# Altium PCB Main.PcbDoc (part 1 of 2) (continued)
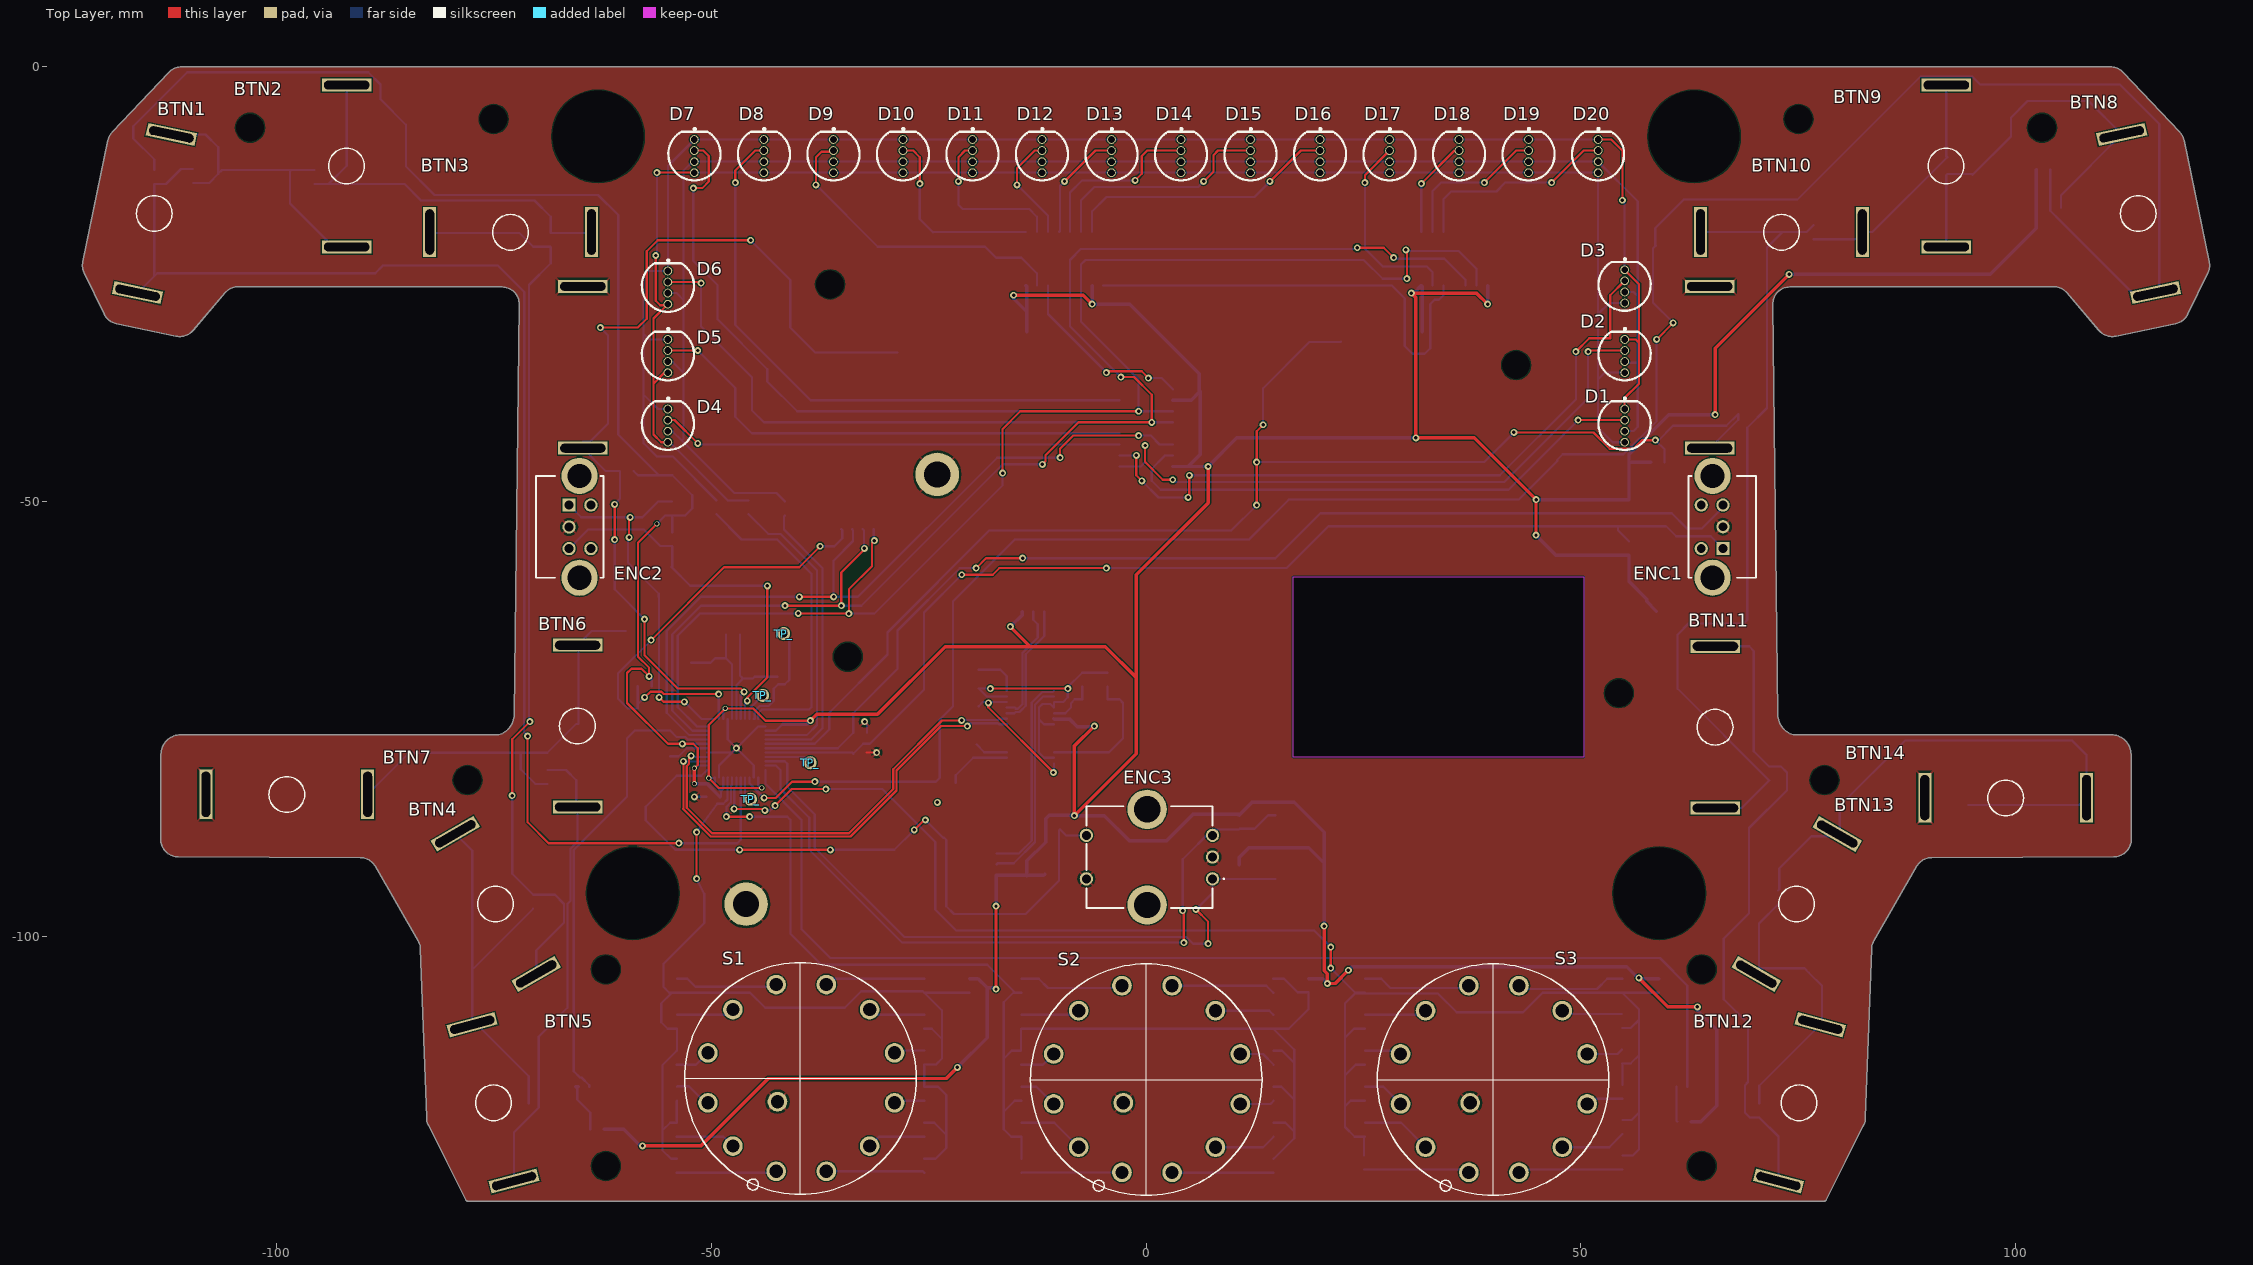
[diagram p0: Top Layer view]
## Components (designator, comment, footprint, x,y, rotation, side; value= is the part's Value field where it differs from the comment) (continued)
R21 "RESISTOR GENERIC" 0603 -54.458,-54.331 r90 bottom
R22 "RESISTOR GENERIC" 0603 -14.326,-122.2 r90 bottom
R23 "RESISTOR GENERIC" 0603 14.668,-113.919 r90 bottom
R24 "RESISTOR GENERIC" 0603 -14.326,-118.06 r90 bottom
R25 "RESISTOR GENERIC" 0603 14.668,-118.06 r90 bottom
R26 "RESISTOR GENERIC" 0603 -14.364,-113.919 r270 bottom
R27 "RESISTOR GENERIC" 0603 14.668,-122.2 r90 bottom
R28 "RESISTOR GENERIC" 0603 -14.326,-109.779 r90 bottom
R29 "RESISTOR GENERIC" 0603 14.668,-126.34 r90 bottom
R30 "RESISTOR GENERIC" 0603 -14.326,-105.639 r90 bottom
R31 "RESISTOR GENERIC" 0603 14.63,-105.639 r270 bottom
R32 "RESISTOR GENERIC" 0603 58.953,-105.639 r90 bottom
R33 "RESISTOR GENERIC" 0603 25.044,-125.959 r270 bottom
R34 "RESISTOR GENERIC" 0603 54.724,-109.703 r270 bottom
R35 "RESISTOR GENERIC" 0603 25.171,-122.2 r90 bottom
R36 "RESISTOR GENERIC" 0603 54.724,-113.767 r270 bottom
R37 "RESISTOR GENERIC" 0603 25.171,-118.06 r90 bottom
R38 "RESISTOR GENERIC" 0603 54.762,-117.831 r90 bottom
R39 "RESISTOR GENERIC" 0603 -47.473,-65.253 r0 bottom
R40 "RESISTOR GENERIC" 0603 25.171,-113.919 r90 bottom
R41 "RESISTOR GENERIC" 0603 54.762,-121.895 r90 bottom
R42 "RESISTOR GENERIC" 0603 25.171,-109.779 r90 bottom
R43 "RESISTOR GENERIC" 0603 54.762,-125.959 r90 bottom
R44 "RESISTOR GENERIC" 0603 25.171,-105.639 r90 bottom
R45 "RESISTOR GENERIC" 0603 54.762,-105.639 r90 bottom
R46 "RESISTOR GENERIC" 0603 -45.695,-50.648 r270 bottom
R47 "RESISTOR GENERIC" 0603 -49.378,-50.648 r270 bottom
R48 "RESISTOR GENERIC" 0603 -41.504,-50.775 r270 bottom
R49 "RESISTOR GENERIC" 0603 -114.021,-12.675 r90 bottom
R50 "RESISTOR GENERIC" 0603 -109.576,-12.548 r90 bottom
R51 "RESISTOR GENERIC" 0603 -95.606,-12.675 r90 bottom
R52 "RESISTOR GENERIC" 0603 -68.428,-19.914 r90 bottom
R53 "RESISTOR GENERIC" 0603 -70.46,-95.987 r90 bottom
R54 "RESISTOR GENERIC" 0603 -70.968,-119.99 r90 bottom
R55 "RESISTOR GENERIC" 0603 -68.809,-81.636 r90 bottom
R56 "RESISTOR GENERIC" 0603 -59.817,-65.659 r90 bottom
R57 "RESISTOR GENERIC" 0603 103.124,-11.811 r0 bottom
R58 "RESISTOR GENERIC" 0603 105.181,-16.993 r90 bottom
R59 "RESISTOR GENERIC" 0603 92.1,-11.532 r90 bottom
R60 "RESISTOR GENERIC" 0603 76.733,-19.025 r90 bottom
R61 "RESISTOR GENERIC" 0603 71.653,-81.255 r90 bottom
R62 "RESISTOR GENERIC" 0603 70.51,-119.99 r90 bottom
R63 "RESISTOR GENERIC" 0603 72.669,-95.479 r90 bottom
R64 "RESISTOR GENERIC" 0603 94.513,-84.049 r90 bottom
R65 "RESISTOR GENERIC" 0603 -59.69,-46.482 r0 bottom
R66 "RESISTOR GENERIC" 0603 58.801,-45.466 r180 bottom
R67 "RESISTOR GENERIC" 0603 -4.42,-70.46 r90 bottom
R68 "RESISTOR GENERIC" 0603 -63.094,-122.149 r0 bottom
R69 "RESISTOR GENERIC" 0603 61.874,-121.26 r0 bottom
R70 "RESISTOR GENERIC" 0603 -7.341,-70.46 r90 bottom
R71 "RESISTOR GENERIC" 0603 -20.041,-69.317 r0 bottom
R72 "RESISTOR GENERIC" 0603 -4.42,-73.508 r90 bottom
R73 "RESISTOR GENERIC" 0603 -7.341,-73.508 r90 bottom
R74 "RESISTOR GENERIC" 0603 10.693,-92.558 r90 bottom
R75 "RESISTOR GENERIC" 0603 10.693,-86.843 r90 bottom
R76 "RESISTOR GENERIC" 0603 -9.881,-86.843 r90 bottom
S1 "<b>Rotary wafer switch,metric,BBM,1P 12way 150 mA@ 250V, 12 Way Rotary Switch, 250 V ac, 250 V dc</b><p> / Source: <a href=\"https://www.mouser.co.uk/datasheet/2/242/CK-681.pdf\"> Datasheet </a>" CK1059 -42.52,-126.975 r0 top
S2 "<b>Rotary wafer switch,metric,BBM,1P 12way 150 mA@ 250V, 12 Way Rotary Switch, 250 V ac, 250 V dc</b><p> / Source: <a href=\"https://www.mouser.co.uk/datasheet/2/242/CK-681.pdf\"> Datasheet </a>" CK1059 -2.769,-127.102 r0 top
S3 "<b>Rotary wafer switch,metric,BBM,1P 12way 150 mA@ 250V, 12 Way Rotary Switch, 250 V ac, 250 V dc</b><p> / Source: <a href=\"https://www.mouser.co.uk/datasheet/2/242/CK-681.pdf\"> Datasheet </a>" CK1059 37.109,-127.102 r0 top
TP_ "TEST_POINT" TEST_POINT -41.656,-65.151 r90 top
TP_ "TEST_POINT" TEST_POINT -44.069,-72.263 r90 top
TP_ "TEST_POINT" TEST_POINT -38.608,-80.01 r90 top
TP_ "TEST_POINT" TEST_POINT -45.466,-84.201 r90 top
U1 "ATMEGA32U4-MU" QFN50P700X700X100-45N -47.092,-78.334 r0 bottom
U2 "74HC595D (SOIC16)" SOIC16-1.27-10X3.9MM 0.025,-41.504 r90 bottom
U3 "74HC595D (SOIC16)" SOIC16-1.27-10X3.9MM -9.373,-22.073 r0 bottom
U4 "74HC595D (SOIC16)" SOIC16-1.27-10X3.9MM 36.093,-22.073 r0 bottom
U5 "FE1.1S USB 2.0 hub IC" FE1.1S_SSOP-28 -13.31,-75.921 r90 bottom
Y1 "XTAL 16MHz 30PPM SXC32M4-16.000-F16NLDT" SMD3225-4P -47.346,-69.19 r180 bottom
Y2 "XTAL S3212000121080 12MHz 30PPM" SMD3225-4P -20.676,-80.112 r90 bottom

## Footprints (in the part's own frame and the unit in brackets; to place one, negate y for a bottom-side part, rotate by r counter-clockwise, add the part's x,y. Pads: shape width x height; smd on the part's side, far side on the other; paste and mask are expansions set on the pad)
0603 [mm]
  rect 0.5x1.1 smd: 1(-0.799,0) 2(0.8,0)
  silkscreen extent -1.27,-0.8 1.27,0.76, body extent -0.8,-0.4 0.8,0.4, height 0.5
CAPPC3528X210N [mm]
  rect 1.34x3.02 smd: 1(-1.54,0) 2(1.54,0)
  silkscreen extent -0.55,-1.5 0.55,1.5
CK1059 [mil]
  round 89 hole 60: 1(0,0) 2(-195.91,114) 3(-309.01,310) 4(-309.01,536) 5(-195.91,732) 6(0,845) 7(227,845) 8(423,732) 9(536,536) 10(536,310) 11(423,114) 12(227,0) A1(6,315)
  silkscreen extent -415,-105 634,944, body extent -405,-96 626,935, height 1358
EC11B15242AF#1 [mil]
  rect 60x60 hole 40: A1(0,0)
  round 60 hole 40: B1(0,197) C1(0,99) D1(-98.43,0) E1(-98.43,197)
  round 164 hole 110: MH1(-47.24,329) MH2(-47.24,-131.89)
  silkscreen extent -156,-132 150,329, body extent -122,-181 744,370, height 541
EC11B15242AF#2 [mil]
  rect 60x60 hole 40: A1(0,0)
  round 60 hole 40: B1(0,197) C1(0,99) D1(98.43,0) E1(98.43,197)
  round 164 hole 110: MH1(47.24,329) MH2(47.24,-131.89)
  body extent -744,-181 122,370, height 541
EC1110120201 [mil]
  round 60 hole 40: A1(0,0) B1(197,0) C1(99,0) D1(0,571) E1(197,571)
  round 178 hole 119: MH1(-118.11,296) MH2(315,296)
  silkscreen extent -132,-53 329,571, body extent -131,-4 331,584, height 768
FE1.1S_SSOP-28 [mil]
  rect 14x60 smd: 1(-163.78,-106.3) 2(-138.58,-106.3) 3(-113.39,-106.3) 4(-88.19,-106.3) 5(-62.99,-106.3) 6(-37.8,-106.3) 7(-12.6,-106.3) 8(13,-106.3) 9(38,-106.3) 10(63,-106.3) 11(89,-106.3) 12(114,-106.3) 13(139,-106.3) 14(164,-106.3) 15(164,107) 16(139,107) 17(114,107) 18(89,107) 19(63,107) 20(38,107) 21(13,107) 22(-11.81,107) 23(-37.8,107) 24(-62.99,107) 25(-88.19,107) 26(-113.39,107) 27(-138.58,107) 28(-163.78,107)
  silkscreen extent -195,-63 195,63, body extent -197,-122 196,122, height 69
"JST 2 Pin 1.25mm" [mm] "JST 2 Pin 1.25mm"
  rect 0.5x1.6 smd: 1(4.725,0.58) 2(3.475,0.58)
  rect 2.1x3 smd: 3(7.275,3.48) 4(0.925,3.48)
  silkscreen extent 0.05,-0.05 8.17,6.04, body extent 0.19,0.56 8.01,5.9, height 3.53
"JST 4 Pin 1.25mm" [mm] "JST 4 Pin 1.25mm"
  rect 0.5x1.6 smd: 1(5.975,0.58) 2(4.725,0.58) 3(3.475,0.58) 4(2.225,0.58)
  rect 2.1x3 smd: ""(-0.325,3.48) ""(8.6,3.4)
  silkscreen extent -0.5,-0.05 8.7,6.04, body extent -1.06,0.46 9.26,5.8, height 3.53
"KAN-28 Btn" [mm]
  rect 1.5x5.7 hole 1 slot 5.2 at 90 deg: 1(-9.3,-0.031) 2(9.3,-0.031)
  silkscreen extent -2.05,-2.05 2.05,2.05, body extent -9.3,-6.03 9.3,5.97, height 10
QFN50P700X700X100-45N [mm]
  rrect25% 1.01x0.26 smd: 1(-3.36,2.5) 2(-3.36,2) 3(-3.36,1.5) 4(-3.36,1) 5(-3.36,0.5) 6(-3.36,0) 7(-3.36,-0.5) 8(-3.36,-1) 9(-3.36,-1.5) 10(-3.36,-2) 11(-3.36,-2.5) 23(3.36,-2.5) 24(3.36,-2) 25(3.36,-1.5) 26(3.36,-1) 27(3.36,-0.5) 28(3.36,0) 29(3.36,0.5) 30(3.36,1) 31(3.36,1.5) 32(3.36,2) 33(3.36,2.5)
  rrect25% 0.26x1.01 smd: 12(-2.5,-3.36) 13(-2,-3.36) 14(-1.5,-3.36) 15(-1,-3.36) 16(-0.5,-3.36) 17(0,-3.36) 18(0.5,-3.36) 19(1,-3.36) 20(1.5,-3.36) 21(2,-3.36) 22(2.5,-3.36) 34(2.5,3.36) 35(2,3.36) 36(1.5,3.36) 37(1,3.36) 38(0.5,3.36) 39(0,3.36) 40(-0.5,3.36) 41(-1,3.36) 42(-1.5,3.36) 43(-2,3.36) 44(-2.5,3.36)
  rect 5.2x5.2 smd paste-4: 45(0,0)
  silkscreen extent -4.67,-3.5 3.5,3.5, body extent -3.5,-3.5 3.5,3.5, height 1
"RADIAL 4 LEADS" [mm] "RADIAL 4 LEADS"
  round 1 hole 0.762: 1(0,1.905) 2(0,0.635) 3(0,-0.635) 4(0,-1.905)
  silkscreen extent -3,-2.8 3,3.23, body extent -3.01,-3.01 3.01,3, height 8
SMD3225-4P [mm]
  rect 1.8x1.4 smd: 1(-2.2,-1.2) 2(2.2,-1.2) 3(2.2,1.2) 4(-2.2,1.2)
  silkscreen extent -3.8,-1.8 0.98,1.8, body extent -3,-1.8 3,1.8, height 1.2
SOIC16-1.27-10X3.9MM [mil]
  rect 26x80 smd: 1(-175,-121) 2(-125,-121) 3(-75,-121) 4(-25,-121) 5(25,-121) 6(75,-121) 7(125,-121) 8(175,-121) 9(175,121) 10(125,121) 11(75,121) 12(25,121) 13(-25,121) 14(-75,121) 15(-125,121) 16(-175,121)
  silkscreen extent -230,-119 203,69, body extent -195,-114 195,122, height 53
TEST_POINT [mm]
  round 1.5 hole 0.9: 1(0,0)

## Part data
C1 C4 C11 C12 C13: library part "CAP 10uF 6.3V 20% 0603"
C2 C3 C5 C6 C8 C20 C21 C22: library part "CAP 100nF 10V 10% 0603"
C7: library part "CAP TANT 100uF 6.3V 20%"
C9 C10: library part "CAP 22pF 5% 50V 0603"
C14 C15 C16: library part "CAP 100nF 10% 0603"
C17 C18 C19 C23: library part "CAP 10uF 20% 0603"
D1 D2 D3 D4 D5 D6 D7 D8 D9 D10 D11 D12 D13 D14 D15 D16 D17 D18 D19 D20: library part "LED RGB TJ-L5FYTXHTCYLCRGB-AR"
ENC1 ENC2: library part EC11B15242AF
R1: library part "RESISTOR GENERIC"
S1 S2 S3: library part CK1049
U1: "AVR AVR® ATmega Microcontroller IC 8-Bit 16MHz 32KB (16K x 16) FLASH 44-VQFN (7x7)"
U2 U3 U4: "Shift Shift Register 1 Element 8 Bit 16-SOP"
U5: library part FE1.1S
Y1: "Crystals 16MHz 16pF 10PPM -40 +85C"
Y2: "Crystals 12MHz 10pF 30PPM -40 +85C"

## Free pads (board coordinates)
  round 0.1 hole 3.2: 0(-62.103,-103.759) 1(-103,-7) 1(-78,-82) 1(-75,-6) 1(-62.103,-126.365) 1(75,-6) 1(78,-82) 1(103,-7) 2(63.881,-126.365) 3(63.881,-103.759) 4(-36.322,-25.019) 5(-34.29,-67.818) 6(54.356,-72.009) 7(42.545,-34.29)
  round 5 hole 3: 0(-45.974,-96.266) 0(-24.003,-46.863)
  round 0.1 hole 10.5: 1(-63,-8) 1(-59,-95) 1(59,-95) 1(63,-8)

## Via types
v1: diameter 0.8, hole 0.4, Top Layer to Bottom Layer, tented both sides, 139 vias
v2: diameter 0.6, hole 0.4, Top Layer to Bottom Layer, tented both sides, 6 vias

## Nets (pads, with @x,y where several pads share a name; then routed paths per layer and width w, separated by ;. In a path a pad name is that pad's centre, name@x,y a point inside that pad or via, vN(x,y) a via of type N, cw(c..) or ccw(c..) an arc to the next point about the centre after c; other vN are vias at no path point)
1V8U: C19.2 U5.12 U5.28 | length 15.6
  Top Layer w0.254: v1(-18.136,-73.127) -18.136,-73.635 v1(-10.643,-81.128)
  Bottom Layer w0.254: C19.2@-19.241,-73.508 -18.759,-73.025 U5.12@-16.01,-73.025 ; v1(-10.643,-81.128) -10.593,-81.077 U5.28@-10.593,-80.081
3V3U: C18.2 R67.2 R70.2 U5.13 U5.17 U5.18 U5.21 U5.27 | length 33.9
  Top Layer w0.254: v1(-17.882,-71.476) v1(-8.992,-71.476)
  Bottom Layer w0.254: v1(-17.882,-71.476) C18.2@-19.241,-71.476 -18.327,-72.39 U5.13@-16.01,-72.39 ; U5.27@-10.593,-79.441 -11.695,-79.441 -12.294,-78.842 -12.294,-75.032 ; U5.21@-10.593,-75.591 -11.736,-75.591 -12.294,-75.032 ; R67.2@-4.42,-69.66 R70.2@-7.341,-69.66 -8.992,-71.311 v1(-8.992,-71.476) -8.992,-72.492 -9.526,-73.025 U5.17@-10.593,-73.025 U5.18@-10.593,-73.66 -10.999,-73.254 -11.913,-73.254 -12.294,-73.635 -12.294,-75.032
BTN_CLU1: J3.2 U1.8 | length 53.4
  Bottom Layer w0.254: J3.2@-64.009,-117.251 -64.009,-117.092 -64.904,-116.197 -65.063,-116.197 -65.786,-115.474 -65.786,-100.838 -65.786,-90.042 -59.665,-83.922 -59.665,-77.191 -58.776,-76.302 -54.712,-76.302 -53.95,-77.064 -52.934,-77.064 -52.664,-77.334 U1.8@-50.452,-77.334
BTN_CLU2: J4.2 U1.33 | length 136.2
  Bottom Layer w0.254: U1.33@-43.732,-80.834 -43.732,-82.456 -39.599,-86.589 -39.599,-99.162 -36.297,-102.464 59.08,-102.464 62.229,-105.613 J4.2@62.229,-117.251
BTN_ENC3: ENC3.E1 R76.1 U1.1 | length 80.9
  Top Layer w0.254: v1(-46.711,-90.018) v1(-36.297,-90.018) ; v1(-26.645,-87.732) -25.502,-86.589 v1(-25.375,-86.589)
  Bottom Layer w0.254: U1.1@-50.452,-80.834 -51.127,-81.509 -53.95,-81.509 -57.506,-85.065 -57.506,-86.639 -54.127,-90.018 v1(-46.711,-90.018) ; v1(-36.297,-90.018) -28.931,-90.018 v1(-26.645,-87.732) ; v1@-25.375,-86.462 v1(-25.375,-86.589) -23.343,-88.621 -23.216,-88.621 -22.962,-88.875 -22.962,-96.495 -22.073,-97.384 -13.818,-97.384 -10.008,-93.574 -10.008,-87.769 R76.1@-9.881,-87.642 -9.157,-88.367 -7.545,-88.367 ENC3.E1@-6.859,-87.681
BTN_SET1: BTN1.1 R49.1 R50.2 U1.38 | length 156.7
  Top Layer w0.254: v1(-71.095,-76.937) -71.095,-86.843 -68.682,-89.256 v1(-53.696,-89.256)
  Bottom Layer w0.254: BTN1.1@-115.925,-25.969 -114.021,-24.066 ; R50.2@-109.576,-11.748 -110.935,-11.748 -112.662,-13.474 R49.1@-114.021,-13.474 -114.021,-24.066 ; v1(-71.095,-76.937) -71.495,-76.537 -71.495,-75.015 -71.476,-74.996 -71.476,-25.883 -74.524,-22.835 -87.732,-22.835 -88.621,-23.724 -113.679,-23.724 -114.021,-24.066 ; v1(-53.696,-89.256) -46.965,-89.256 -46.584,-88.875 -46.592,-88.867 U1.38@-46.592,-81.694
BTN_SET2: BTN8.1 R57.2 R58.1 U1.36 | length 266.5
  Top Layer w0.254: v1(-43.917,-84.049) -42.556,-84.049 -40.693,-82.186 v1(-38.075,-82.186) ; v1(58.699,-31.344) v1(60.604,-29.439)
  Bottom Layer w0.254: U1.36@-45.592,-81.694 -45.592,-82.374 v1(-43.917,-84.049) ; v1(-38.075,-82.186) -24.147,-82.186 -23.724,-81.763 -23.724,-75.032 -22.2,-73.508 -22.2,-61.443 -15.088,-54.331 11.836,-54.331 16.408,-49.759 42.824,-49.759 47.269,-45.314 47.269,-45.187 47.904,-44.552 54.882,-44.552 58.699,-40.735 v1(58.699,-31.344) ; v1(60.604,-29.439) 58.293,-27.128 58.293,-20.863 58.591,-20.566 58.547,-20.522 58.547,-18.542 61.849,-15.24 74.909,-15.24 89.048,-1.101 94.959,-1.101 95.89,-2.032 111.937,-2.032 116.484,-6.579 116.484,-25.507 BTN8.1@116.034,-25.956 113.344,-25.956 R58.1@105.181,-17.792 103.949,-16.56 103.949,-11.836 R57.2@103.924,-11.811
BTN_SHIF1: BTN15.2 J1.1 R65.1 U1.18 | length 111.2
  Top Layer w0.254: v1(-62.738,-29.972) -58.42,-29.972 -57.404,-28.956 -57.404,-21.209 -56.134,-19.939 v1(-45.466,-19.939) ; v1(-61.087,-54.356) v1(-61.087,-50.292) ; v1(-57.658,-63.5) -57.658,-67.641 -53.823,-71.476 -49.414,-71.476 -49.395,-71.457 -46.603,-71.457 v1(-46.203,-71.857)
  Bottom Layer w0.254: BTN15.2@-64.739,-43.844 -62.101,-46.482 R65.1@-60.489,-46.482 -60.489,-49.694 v1(-61.087,-50.292) ; -64.739,-43.082 -63.91,-43.082 -61.849,-41.021 -61.849,-30.861 v1(-62.738,-29.972) ; v1(-61.087,-54.356) -61.087,-60.071 v1(-57.658,-63.5) ; U1.18@-46.592,-74.974 -46.592,-72.246 v1(-46.203,-71.857) ; v1(-45.466,-19.939) -40.894,-24.511 -40.894,-29.972 -38.019,-32.847 J1.1@-28.58,-32.847
BTN_SHIF2: BTN16.2 J2.1 R66.1 U1.27 | length 162.8
  Top Layer w0.254: v1(12.725,-50.394) v1(12.725,-45.441) 12.725,-41.885 v1(13.462,-41.148) ; v1(42.291,-42.037) 51.435,-42.037 53.307,-43.909 56.04,-43.909 57.023,-42.926 v1(58.547,-42.926)
  Bottom Layer w0.254: U1.27@-43.732,-77.834 -38.083,-77.834 -36.424,-76.175 -36.424,-74.27 -29.718,-67.563 -29.718,-65.024 -18.009,-53.315 9.804,-53.315 v1(12.725,-50.394) ; v1(12.725,-45.441) 38.887,-45.441 v1(42.291,-42.037) ; v1(13.462,-41.148) 13.462,-36.957 18.796,-31.623 22.398,-31.623 J2.1@22.424,-31.597 ; R66.1@59.6,-45.466 59.6,-43.979 v1(58.547,-42.926) 58.928,-42.926 60.579,-41.275 66.712,-41.275 68.072,-39.915 68.072,-40.573 BTN16.2@64.801,-43.844
CAT_BLUE: R46.2 U1.25 | length 34.7
  Bottom Layer w0.254: R46.2@-45.695,-51.448 -43.447,-53.696 -42.012,-53.696 -37.821,-57.887 -37.821,-75.667 -38.988,-76.834 U1.25@-43.732,-76.834
CAT_GREEN: R48.2 U1.26 | length 33.4
  Bottom Layer w0.254: U1.26@-43.732,-77.334 -38.472,-77.334 -37.186,-76.048 -37.186,-57.633 -41.631,-53.188 -41.631,-51.702 R48.2@-41.504,-51.575
CAT_RED: R47.2 U1.22 | length 36.2
  Bottom Layer w0.254: R47.2@-49.378,-51.448 -46.495,-54.331 -42.393,-54.331 -38.456,-58.268 -38.456,-73.635 -38.71,-73.889 -42.739,-73.889 -42.758,-73.87 -43.299,-73.87 -43.318,-73.889 -44.171,-73.889 -44.592,-74.31 U1.22@-44.592,-74.974
ENC1_A: C3.2 ENC1.A1 R2.1 U1.29 | length 129.5
  Top Layer w0.254: v1(-21.184,-58.395) -17.628,-58.395 -16.866,-57.633 v1(-4.547,-57.633)
  Bottom Layer w0.254: U1.29@-43.732,-78.834 -33.803,-78.834 C3.2@-33.668,-78.969 -32.525,-77.826 -31.725,-77.826 -25.527,-71.627 -25.527,-62.737 v1(-21.184,-58.395) ; v1(-4.547,-57.633) 16.154,-57.633 20.98,-52.807 54.254,-52.807 ; R2.1@55.524,-54.547 54.254,-53.277 54.254,-52.807 ; ENC1.A1@66.326,-55.388 64.913,-53.975 60.961,-53.975 59.793,-52.807 54.254,-52.807
ENC1_B: C2.2 ENC1.B1 R3.1 U1.28 | length 126.4
  Top Layer w0.254: v1(-19.533,-57.633) -18.39,-56.49 v1(-14.199,-56.49)
  Bottom Layer w0.254: U1.28@-43.732,-78.334 -35.446,-78.334 C2.2@-33.668,-76.556 -33.668,-74.308 -28.575,-69.215 -28.575,-64.801 -21.407,-57.633 v1(-19.533,-57.633) ; v1(-14.199,-56.49) 14.884,-56.49 20.053,-51.32 R3.1@55.524,-51.32 60.437,-51.32 62.203,-53.086 63.881,-53.086 ENC1.B1@65.954,-51.013
ENC2_A: C5.2 ENC2.A1 R20.1 U1.12 | length 42.9
  Top Layer w0.254: v1(-59.436,-54.102) -59.436,-51.918 v1(-59.309,-51.791) ; v1(-55.982,-72.492) -55.474,-73 v1(-53.061,-73)
  Bottom Layer w0.254: ENC2.A1@-66.326,-50.386 -64.921,-51.791 v1(-59.309,-51.791) -57.887,-51.791 -56.072,-49.975 R20.1@-54.487,-49.975 ; v1(-59.436,-54.102) -59.563,-54.229 -59.563,-57.023 -56.02,-60.566 C5.2@-56.02,-60.935 -55.982,-60.973 v1(-55.982,-72.492) ; v1(-53.061,-73) -51.087,-74.974 U1.12@-49.592,-74.974
ENC2_B: C6.2 ENC2.B1 R21.1 U1.19 | length 43.9
  Top Layer w0.254: v1(-45.848,-72.898) -45.848,-72.518 -43.536,-70.206 v1(-43.536,-59.665)
  Bottom Layer w0.254: ENC2.B1@-66.326,-55.39 -64.124,-53.188 -57.76,-53.188 -55.855,-55.093 -54.496,-55.093 R21.1@-54.458,-55.13 -54.458,-57.417 C6.2@-54.547,-57.506 -52.388,-59.665 v1(-43.536,-59.665) ; U1.19@-46.092,-74.974 v1@-46.092,-73.143
ENC3_A: C20.2 ENC3.A1 R74.1 U1.31 | length 79.4
  Top Layer w0.254: v1(5.74,-96.876) 7.137,-98.273 v1(7.137,-100.813)
  Bottom Layer w0.254: U1.31@-43.732,-79.834 -41.528,-79.834 -41.25,-80.112 -41.25,-82.779 -38.075,-85.954 -38.075,-89.764 -27.807,-100.032 4.613,-100.032 5.394,-100.813 v1(7.137,-100.813) ; v1(5.74,-96.876) 7.645,-94.971 ENC3.A1@7.645,-93.357 R74.1@10.693,-93.357 C20.2@14.846,-93.358
ENC3_B: C21.2 ENC3.B1 R75.1 U1.32 | length 82.4
  Top Layer w0.254: v1(4.216,-97.003) 4.089,-97.13 4.343,-97.384 v1(4.343,-100.686)
  Bottom Layer w0.254: U1.32@-43.732,-80.334 -42.552,-80.334 -42.012,-80.874 -42.012,-83.033 -38.71,-86.335 -38.71,-90.018 -28.042,-100.686 v1(4.343,-100.686) ; v1(4.216,-97.003) 4.216,-91.11 7.645,-87.681 10.654,-87.681 R75.1@10.693,-87.642 10.73,-87.605 12.471,-87.605 14.033,-86.043 C21.2@14.884,-86.043
EXT1: TP_.1@-45.466,-84.201 U1.37 | length 2.8
  Bottom Layer w0.254: U1.37@-46.092,-81.694 -46.092,-83.575 TP_.1@-45.466,-84.201
EXT2: TP_.1@-38.608,-80.01 U1.30 | length 5.4
  Bottom Layer w0.254: U1.30@-43.732,-79.334 -39.284,-79.334 TP_.1@-38.608,-80.01
EXT3: TP_.1@-44.069,-72.263 U1.20 | length 3.3
  Bottom Layer w0.254: U1.20@-45.592,-74.974 -45.592,-73.786 TP_.1@-44.069,-72.263
EXT4: TP_.1@-41.656,-65.151 U1.21 | length 12.9
  Bottom Layer w0.254: U1.21@-45.092,-74.974 -44.976,-74.974 -44.976,-74.062 -44.403,-73.489 -43.39,-73.489 -42.799,-72.898 -42.799,-71.501 -42.291,-70.993 -41.529,-70.993 -41.021,-70.485 -41.021,-65.786 TP_.1@-41.656,-65.151
GND: BTN7.2 BTN14.2 BTN15.1 BTN16.1 C1.1 C2.1 C3.1 C4.1 C5.1 C6.1 C7.2 C8.1 C9.1 C10.1 C11.1 C12.1 C13.1 C14.1 C15.1 C16.1 C17.1 C18.1 C19.1 C20.1 C21.1 C22.1 C23.1 ENC1.C1 ENC2.C1 ENC3.C1 ENC3.D1 J1.2 J2.2 J3.4 J4.4 J5.4 J6.4 pad.0@-24.003,-46.863 pad.0@-45.974,-96.266 R56.1 R64.2 R71.1 R72.1 R73.1 S1.A1 S2.A1 S3.A1 U1.5 U1.15 U1.23 U1.35 U1.43 U1.45 U2.8 U2.13 U3.8 U3.13 U4.8 U4.13 U5.1 Y1.2 Y1.4 Y2.2 Y2.4 | length 23.3
  Top Layer w0.254: -32.106,-78.842 v1(-30.963,-78.842)
  Bottom Layer w0.254: v1(-51.918,-83.922) C8.1@-50.559,-83.922 ; U1.5@-50.452,-78.834 U1.45@-47.592,-78.834 ; U1.43@-49.092,-81.694 -49.092,-80.334 U1.45@-47.592,-78.834 ; U1.15@-48.092,-74.974 -48.092,-77.334 v1(-47.092,-78.334) ; U1.35@-45.092,-81.694 -45.092,-80.334 v1(-47.092,-78.334) ; U1.23@-43.732,-75.834 -44.592,-75.834 v1(-47.092,-78.334) ; v1(-32.36,-75.286) -32.069,-75.577 C2.1@-32.069,-76.556 ; U1.45@-47.592,-78.834 v1(-47.092,-78.334)
ICSP_MISO: J7.4 U1.11 U2.11 U3.11 U4.11 | length 167.9
  Top Layer w0.254: v1(-39.98,-62.84) -39.955,-62.865 v1(-34.163,-62.865) -34.163,-60.071 -31.496,-57.404 -31.496,-54.737 v1(-31.242,-54.483) ; v1(-16.485,-46.711) -16.485,-41.631 -14.453,-39.599 v1(-0.864,-39.599) ; v1(29.87,-21.057) 29.997,-21.184 v1(29.997,-24.359)
  Bottom Layer w0.254: U1.11@-50.452,-75.834 -51.624,-75.834 -53.823,-73.635 -53.823,-65.38 -51.283,-62.84 v1(-39.98,-62.84) ; v1@-34.24,-62.865 -31.242,-62.865 -16.485,-48.108 -16.485,-46.584 -16.358,-46.711 v1(-16.485,-46.711) ; J7.4@-31.308,-53.141 -31.308,-54.417 v1(-31.242,-54.483) ; U2.11@3.098,-39.599 v1(-0.864,-39.599) -0.864,-35.916 -7.468,-29.312 U3.11@-7.468,-25.146 -7.468,-22.708 -6.96,-22.2 25.044,-22.2 27.203,-24.359 v1(29.997,-24.359) ; v1(29.87,-21.057) 29.997,-21.184 35.966,-21.184 37.998,-23.216 U4.11@37.998,-25.146
ICSP_MOSI: J7.3 U1.10 U2.12 U3.12 U4.12 | length 163.8
  Top Layer w0.254: v1(-41.504,-61.951) v1(-35.027,-61.951) -35.027,-58.141 -32.385,-55.499 v1(-32.385,-55.372) ; v1(-11.913,-45.695) -11.551,-45.333 -11.551,-44.662 -7.758,-40.869 v1(0.66,-40.869) 0.66,-37.694 -1.372,-35.662 v1(-2.896,-35.662) ; v1(24.282,-20.803) 27.33,-20.803 v1(28.473,-21.946)
  Bottom Layer w0.254: U1.10@-50.452,-76.334 -52.14,-76.334 -54.458,-74.016 -54.458,-65.253 -51.156,-61.951 v1(-41.504,-61.951) ; v1(-35.027,-61.951) -32.741,-61.951 -16.485,-45.695 v1(-11.913,-45.695) ; J7.3@-32.558,-53.141 -32.431,-53.268 -32.431,-55.545 -32.385,-55.499 v1(-32.385,-55.372) ; v1(-2.896,-35.662) -8.738,-29.82 U3.12@-8.738,-25.146 -8.738,-22.2 -7.468,-20.93 24.155,-20.93 v1(24.282,-20.803) ; v1(0.66,-40.869) U2.12@3.098,-40.869 ; v1(28.473,-21.946) 28.6,-22.073 34.315,-22.073 36.728,-24.486 U4.12@36.728,-25.146
ICSP_RST: C1.2 J7.1 R4.1 U1.13 | length 54.4
  Top Layer w0.254: v1(-57.633,-72.492) -56.979,-71.838 -55.712,-71.838 -55.439,-72.111 v1(-49.124,-72.111) ; v1(-56.896,-65.913) -48.514,-57.531 -39.878,-57.531 v1(-37.465,-55.118)
  Bottom Layer w0.254: R4.1@-58.433,-71.222 C1.2@-58.433,-73.291 ; v1(-57.633,-72.492) C1.2@-58.433,-73.291 ; v1(-56.896,-65.913) -60.706,-69.723 -60.706,-72.644 -59.588,-73.762 C1.2@-58.433,-73.762 C1.2@-58.433,-73.292 ; v1(-49.124,-72.111) -49.124,-74.942 U1.13@-49.092,-74.974 ; v1(-37.465,-55.118) -35.814,-55.118 -34.931,-54.235 -34.931,-53.268 J7.1@-35.058,-53.141
ICSP_SCLK: J7.2 U1.9 U2.14 | length 92.4
  Top Layer w0.254: v1(-39.853,-60.935) v1(-35.916,-60.935) ; v1(-9.881,-44.933) -9.881,-43.917 -8.357,-42.393 v1(-0.864,-42.393)
  Bottom Layer w0.254: U1.9@-50.452,-76.834 -52.529,-76.834 -55.093,-74.27 -55.093,-64.872 -51.156,-60.935 v1(-39.853,-60.935) ; J7.2@-33.808,-53.141 -33.681,-53.268 -33.681,-54.509 -35.916,-56.744 v1(-35.916,-60.935) -33.122,-60.935 -17.12,-44.933 v1(-9.881,-44.933) ; v1(-0.864,-42.393) 0.533,-42.393 1.549,-43.409 U2.14@3.098,-43.409
L1: D1.2 U2.15 | length 62.6
  Top Layer w0.254: v1(49.682,-40.615) D1.2@55.016,-40.615
  Bottom Layer w0.254: U2.15@3.098,-44.679 2.184,-44.679 0.66,-46.203 0.66,-47.6 1.676,-48.616 41.681,-48.616 v1(49.682,-40.615)
L2: D2.2 U2.1 | length 72.4
  Top Layer w0.254: v1(-0.102,-43.536) -0.102,-45.441 1.93,-47.473 v1(3.073,-47.473) ; v1(50.825,-32.741) 50.952,-32.614 D2.2@55.016,-32.614
  Bottom Layer w0.254: U2.1@-3.049,-45.949 -0.61,-45.949 -0.102,-45.441 v1(-0.102,-43.536) ; v1(3.073,-47.473) 3.327,-47.727 41.173,-47.727 50.825,-38.075 v1(50.825,-32.741)
L3: D3.2 U2.2 | length 79.2
  Top Layer w0.254: v1(-1.118,-44.679) -1.118,-46.965 v1(-0.483,-47.6) ; v1(4.851,-49.505) 4.978,-49.378 v1(4.978,-46.965) ; v1(49.428,-32.741) 50.952,-31.217 53.365,-31.217 53.365,-26.264 D3.2@55.016,-24.613
  Bottom Layer w0.254: U2.2@-3.049,-44.679 v1(-1.118,-44.679) ; v1(-0.483,-47.6) 1.422,-49.505 v1(4.851,-49.505) ; v1(4.978,-46.965) 40.665,-46.965 49.428,-38.202 v1(49.428,-32.741)
L4: D4.2 U2.3 | length 53.1
  Top Layer w0.254: D4.2@-54.966,-40.615 -54.204,-40.615 v1(-51.537,-43.282)
  Bottom Layer w0.254: v1(-51.537,-43.282) -51.41,-43.409 U2.3@-3.049,-43.409
L5: D5.2 U2.4 | length 57.8
  Top Layer w0.254: D5.2@-54.966,-32.614 v1(-51.537,-32.614)
  Bottom Layer w0.254: v1(-51.537,-32.614) -47.219,-36.932 -47.219,-40.234 -45.314,-42.139 U2.4@-3.049,-42.139
L6: D6.2 U2.5 | length 63.7
  Top Layer w0.254: D6.2@-54.966,-24.74 -51.283,-24.74 v1(-51.156,-24.867)
  Bottom Layer w0.254: v1(-51.156,-24.867) -51.156,-29.82 -45.314,-35.662 -45.314,-39.472 -43.917,-40.869 U2.5@-3.049,-40.869
L7: D7.2 U2.6 | length 74.6
  Top Layer w0.254: v1(-52.045,-13.945) -51.029,-13.945 -50.267,-13.183 -50.267,-10.262 -50.902,-9.627 D7.2@-51.918,-9.627
  Bottom Layer w0.254: v1(-52.045,-13.945) -52.045,-22.327 -49.251,-25.121 -49.251,-29.058 -43.536,-34.773 -43.536,-36.17 -40.107,-39.599 U2.6@-3.049,-39.599